# Altium PCB HDLab-v1.PcbDoc (part 1 of 2)
Units mm, origin at the board's own origin, x right, y up, seen from the top; angles counter-clockwise.
Board outline 142.6 x 82.6 mm, 2 copper layers (Top Layer, Bottom Layer); 120 components, 185 nets, 716 pads, 398 vias.
Unrouted connection lines stored in the file: 6.
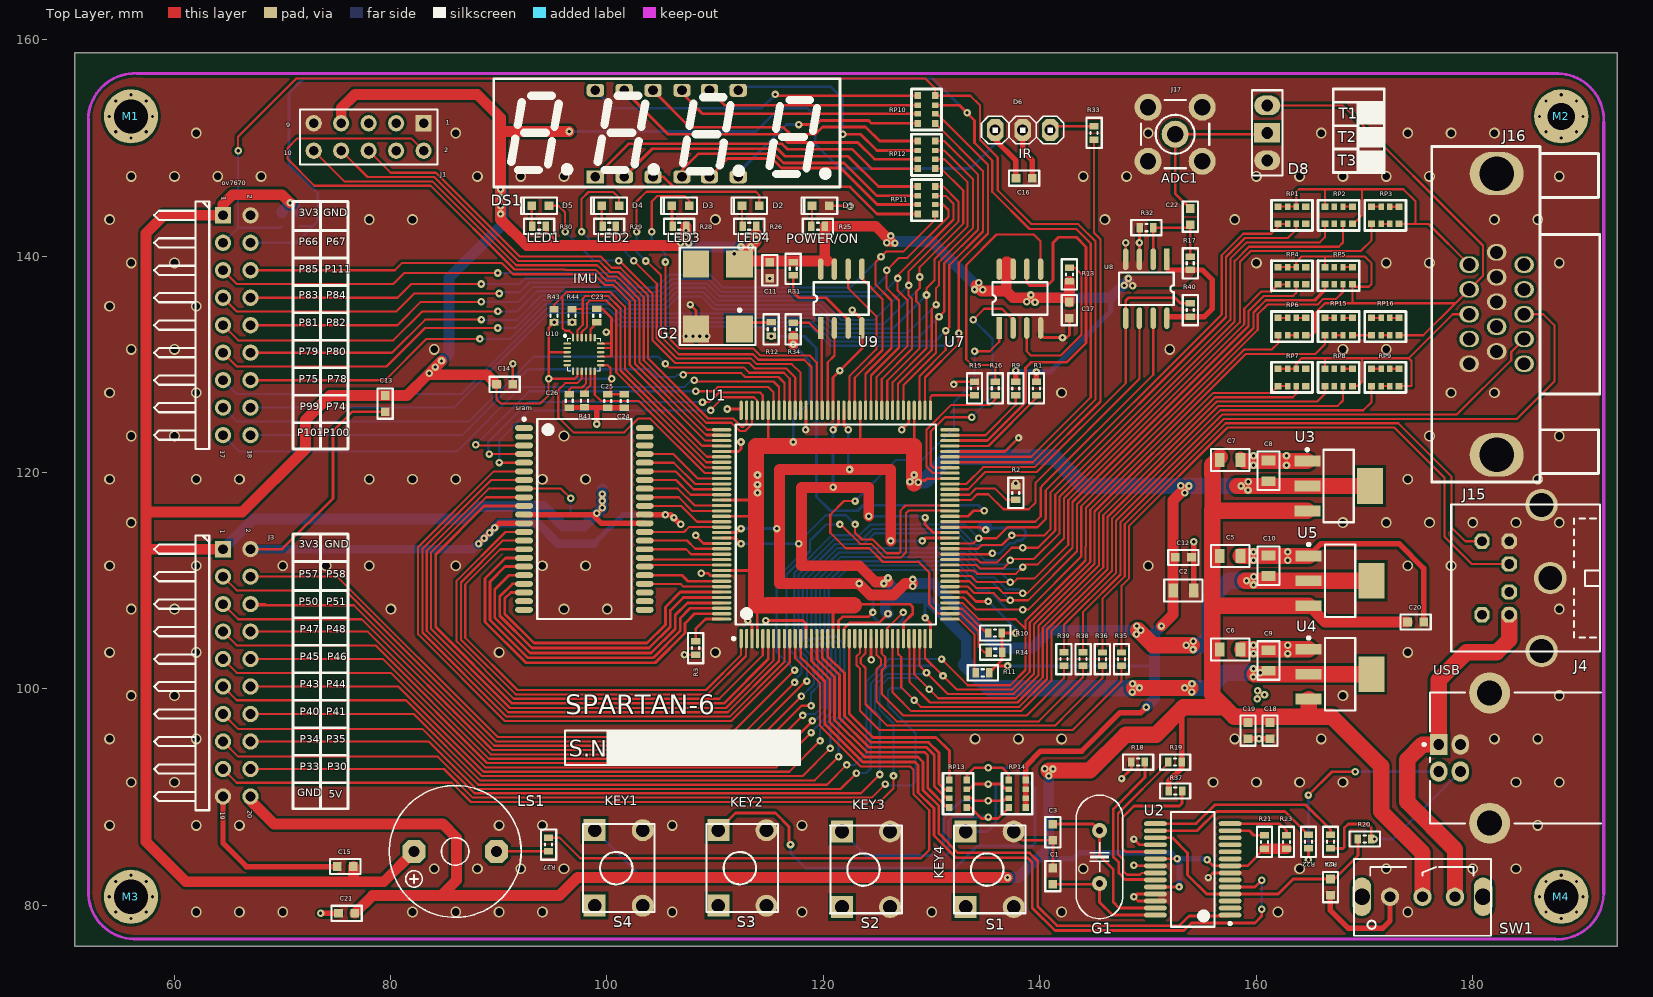
[diagram p0: Top Layer view]
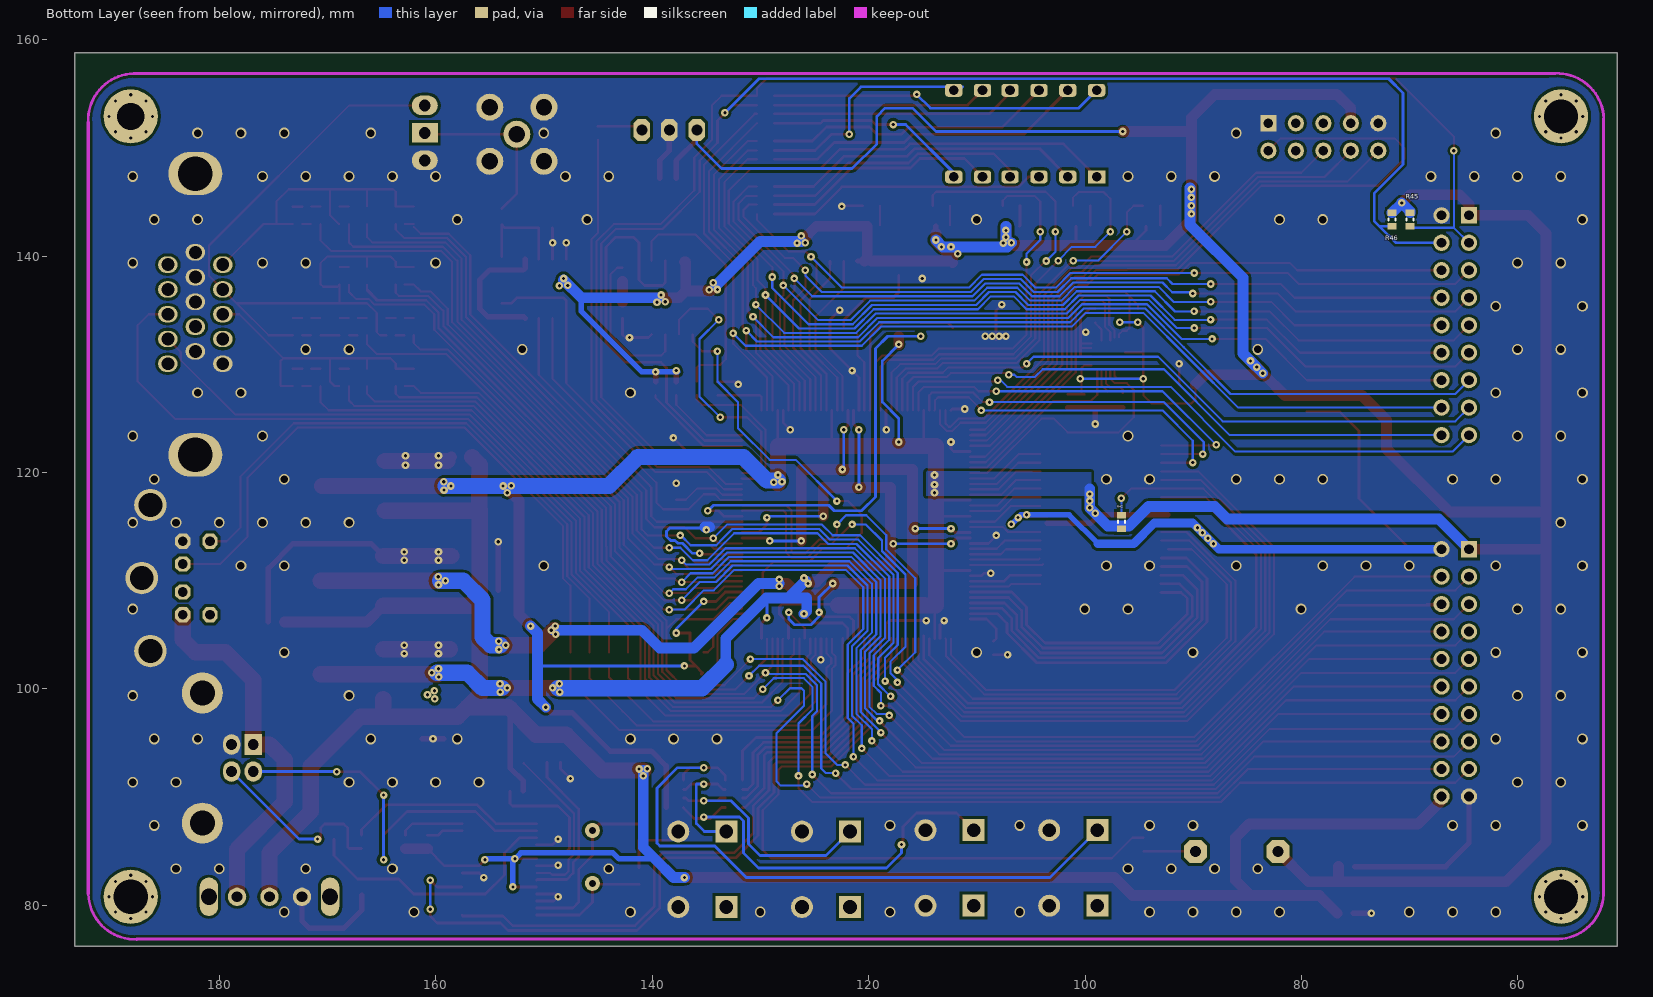
[diagram p1: Bottom Layer view, seen from below]

## Layer stack, top to bottom
Top Solder: solder mask 0.0102, Solder Resist, Dk 3.5
Top Layer: signal copper 0.0356
Dielectric 1: dielectric 0.32, FR-4, Dk 4.8
Bottom Layer: signal copper 0.0356
Bottom Solder: solder mask 0.0102, Solder Resist, Dk 3.5

## Board outline
50.8,76.2 193.4,76.2 193.4,158.8 50.8,158.8

## Design rules (kind name [scope] priority, off if disabled: settings)
Clearance Clearance_1 [INPOLY] p1: gap=0.254
Clearance [All] p2: gap=0.2
PlaneConnect [All] p1: planeconnectstyle=Direct reliefexpansion=0.508 reliefentries=4 reliefconductorwidth=0.254 reliefairgap=0.254
PolygonConnect [All] p1: connectstyle=Direct reliefconductorwidth=0.254 reliefentries=4 polygonreliefangle="90 Angle" airgapwidth=0.254
RoutingVias [All] p1: holewidth=0.6 width=1 viastyle="Through Hole" minholewidth=0.711 minwidth=1.27 maxholewidth=0.711 maxwidth=1.27
SolderMaskExpansion [All] p1: expansion=0.102
Width [All] p1: maxlimit=10 minlimit=0.2 preferedwidth=0.2
28 further rules are at their usual default settings.

## Components (designator, comment, footprint, x,y, rotation, side; value= is the part's Value field where it differs from the comment)
C1 "Cap Semi" C0603 141.224,82.677 r270 top
C2 "10u" C0805 153.289,109.093 r0 top
C3 "Cap Semi" C0603 141.224,86.741 r90 top
C4 "Cap Semi" C0603 166.878,81.661 r90 top
C5 "10u" C0805 157.607,112.268 r0 top
C6 "10u" C0805 157.607,103.632 r0 top
C7 "10u" C0805 157.607,121.158 r0 top
C8 "10u" C0805 161.163,120.142 r90 top
C9 "10u" C0805 161.163,102.616 r90 top
C10 "10u" C0805 161.163,111.379 r90 top
C11 "Cap Semi" C0603 115.062,138.684 r270 top
C12 "Cap Semi" C0603 153.289,112.141 r0 top
C13 "Cap Semi" C0603 79.502,126.365 r270 top
C14 "Cap Semi" C0603 90.551,128.143 r0 top
C15 "Cap Semi" C0603 75.819,83.566 r180 top
C16 "Cap Semi" C0603 138.557,147.193 r0 top
C17 "Cap Semi" C0603 142.748,135.001 r270 top
C18 "Cap Semi" C0603 161.29,96.139 r270 top
C19 "Cap Semi" C0603 159.258,96.139 r270 top
C20 "Cap Semi" C0603 174.752,106.172 r0 top
C21 "Cap Semi" C0603 75.946,79.248 r180 top
C22 "Cap Semi" C0603 153.924,143.637 r270 top
C23 "2.2n" SMD_CAP_0603 99.06,134.493 r270 top
C24 "100nF" SMD_CAP_0603 101.6,126.597 r270 top
C25 "10n" SMD_CAP_0603 100.076,126.597 r90 top
C26 "100n" SMD_CAP_0603 96.52,126.619 r90 top
D1 "LED2" LED_0603 119.761,144.653 r0 top
D2 "LED2" LED_0603 113.284,144.653 r0 top
D3 "LED2" LED_0603 106.807,144.653 r0 top
D4 "LED2" LED_0603 100.33,144.653 r0 top
D5 "LED2" LED_0603 93.853,144.653 r0 top
D6 "Header 3" My_1X03 138.43,151.638 r180 top
D8 "Header 3" "jumper selector" 161.036,148.844 r90 top
DS1 "7Segment-4Digit-CA" 7seg 105.537,151.384 r0 top
G1 "12 MHz" "XTAL Small" 145.542,84.455 r270 top
G2 "40MHz" CSL 110.236,136.271 r0 top
J1 "Header 5X2" HDR2X5 83.058,152.273 r180 top
J3 "Header 10X2H" HDR2X10H 64.516,112.903 r270 top
J4 "USB Connector" USB2.5-2H4F 191.897,93.599 r0 top
J15 "PS2-6PIN_1" PS21 184.531,110.236 r90 top
J16 "Component_1" DE15 182.245,134.62 r90 top
J17 "SMB" SMB_V-RJ45 152.527,151.257 r0 top
LS1 "Buzzer small" My_Buzzer 85.979,84.963 r180 top
M1 "Screw" "Board Screw_No Silk"#1 56.007,152.908 r0 top
M2 "Screw" "Board Screw_No Silk"#2 188.214,152.908 r0 top
M3 "Screw" "Board Screw_No Silk"#1 56.007,80.772 r0 top
M4 "Screw" "Board Screw_No Silk"#1 188.214,80.772 r0 top
ov7670 "Header 9X2H" HDR2X9H 64.516,143.764 r270 top
R1 "Res1" R0603 139.7,127.762 r90 top
R2 "Res1" R0603 137.795,118.11 r90 top
R3 "Res1" R0603 108.204,103.759 r270 top
R9 "Res1" R0603 137.795,127.762 r90 top
R10 "Res1" R0603 135.89,105.156 r0 top
R11 "Res1" R0603 134.747,101.473 r0 top
R12 "Res1" R0603 115.189,133.223 r270 top
R13 "Res1" R0603 142.748,138.303 r90 top
R14 "Res1" R0603 135.89,103.378 r180 top
R15 "Res1" R0603 133.985,127.762 r90 top
R16 "Res1" R0603 135.89,127.762 r270 top
R17 "Res1" R0603 153.924,139.319 r270 top
R18 "Res1" R0603 149.098,93.218 r180 top
R19 "Res1" R0603 152.527,93.218 r0 top
R20 "Res1" R0603 170.053,86.106 r0 top
R21 "Res1" R0603 160.782,85.852 r90 top
R22 "Res1" R0603 164.846,85.852 r270 top
R23 "Res1" R0603 162.814,85.852 r90 top
R24 "Res1" R0603 166.878,85.852 r270 top
R25 "Res1" R0603 119.507,142.748 r180 top
R26 "Res1" R0603 113.157,142.748 r180 top
R27 "Res1" R0603 94.615,85.598 r270 top
R28 "Res1" R0603 106.68,142.748 r180 top
R29 "Res1" R0603 100.203,142.748 r180 top
R30 "Res1" R0603 93.726,142.748 r180 top
R31 "Res1" R0603 117.221,138.811 r270 top
R32 "Res1" R0603 149.86,142.621 r180 top
R33 "Res1" R0603 145.034,151.384 r90 top
R34 "Res1" R0603 117.221,133.223 r90 top
R35 "Res1" R0603 147.574,102.743 r90 top
R36 "Res1" R0603 145.796,102.743 r90 top
R37 "Res1" R0603 152.527,90.551 r180 top
R38 "Res1" R0603 144.018,102.743 r270 top
R39 "Res1" R0603 142.24,102.743 r270 top
R40 "Res1" R0603 153.924,135.001 r270 top
R41 "10K" "RES 0603 (1608X06L)" 97.917,127.254 r270 top
R42 "10K" "RES 0603 (1608X06L)" 96.647,114.808 r90 bottom
R43 "10K" "RES 0603 (1608X06L)" 95.123,133.858 r90 top
R44 "10K" "RES 0603 (1608X06L)" 96.774,133.858 r90 top
R45 "10K" "RES 0603 (1608X06L)" 69.977,142.748 r90 bottom
R46 "10K" "RES 0603 (1608X06L)" 71.628,142.748 r90 bottom
RP1 "1K" R4#1 163.322,143.764 r90 top
RP2 "2K" R4#1 167.64,143.764 r90 top
RP3 "2K" R4#1 171.958,143.764 r90 top
RP4 "1K" R4#1 163.322,138.176 r90 top
RP5 "2K" R4#1 167.64,138.176 r90 top
RP6 "2K" R4#1 163.322,133.477 r90 top
RP7 "1K" R4#1 163.322,128.778 r90 top
RP8 "2K" R4#1 167.64,128.778 r90 top
RP9 "2K" R4#1 171.958,128.778 r90 top
RP10 "330" R4#1 129.54,153.543 r180 top
RP11 "330" R4#1 129.54,145.161 r180 top
RP12 "330" R4#2 129.54,149.352 r180 top
RP13 "1K" R4#1 132.461,90.297 r0 top
RP14 "1K" R4#1 137.922,90.297 r0 top
RP15 "2K" R4#1 167.64,133.477 r90 top
RP16 "2K" R4#1 171.958,133.477 r90 top
S1 "Switch PB" "Switch - Push to On" 135.382,83.312 r90 top
S2 "Switch PB" "Switch - Push to On" 123.952,83.312 r90 top
S3 "Switch PB" "Switch - Push to On" 112.522,83.439 r90 top
S4 "Switch PB" "Switch - Push to On" 101.092,83.439 r90 top
sram "IS61WV5128BLL-10TI" ISSI-TSOP-2-44_N 97.917,115.697 r0 top
SW1 "Switch SPDT_Subminiator" SW 175.387,80.772 r90 top
U1 "XC6SLX9-2TQG144C" TQG144_N 121.158,115.189 r90 top
U2 "PL2303" SSOP-SS28_N 154.178,83.312 r270 top
U3 "AMS1117-3.3" MP04A_N 167.64,118.745 r0 top
U4 "AMS1117-2.5" MP04A_N 167.767,101.346 r0 top
U5 "AMS1117-1.2" MP04A_N 167.767,109.982 r0 top
U7 "W25Q32FVS1G" sop8 136.271,133.35 r90 top
U8 "TLC549C" SOP8 151.765,139.7 r270 top
U9 "W25Q128FVSG" sop8 119.761,133.35 r90 top
U10 "MPU-9150" klklkl 97.917,130.937 r0 top

## Footprints (in the part's own frame and the unit in brackets; to place one, negate y for a bottom-side part, rotate by r counter-clockwise, add the part's x,y. Pads: shape width x height; smd on the part's side, far side on the other; paste and mask are expansions set on the pad)
7seg [mm]
  rect 1.6x1.2 hole 0.9: 1(-6.604,-4.064)
  rrect50% 1.6x1.2 hole 0.9: 2(-3.937,-4.064) 3(-1.27,-4.064) 4(1.397,-4.064) 5(3.937,-4.064) 6(6.604,-4.064) 7(6.604,3.937) 8(3.937,3.937) 9(1.397,3.937) 10(-1.27,3.937) 11(-3.937,3.937) 12(-6.604,3.937)
  silkscreen extent -16,-5 16,5
"Board Screw_No Silk"#1 [mm]
  round 0.6 hole 0.3: S(-2,0) S(-1.414,-1.414) S(-1.414,1.414) S(0,-2) S(0,2) S(1.414,-1.414) S(1.414,1.414) S(2,0)
  round 5 hole 3.15 mask+0.1: S(0,0)
"Board Screw_No Silk"#2 [mm]
  round 0.6 hole 0.3: S(-2,0) S(-1.414,-1.414) S(-1.414,1.414) S(0,-2) S(0,2) S(1.414,-1.414) S(1.414,1.414) S(2,0)
  round 5 hole 2.5 mask+0.1: S(0,0)
C0603 [mm]
  rect 0.8x0.8 smd: 1(-0.75,0) 2(0.75,0)
  silkscreen extent -1.4,-0.7 1.4,0.7, body extent -0.8,-0.42 0.8,0.44, height 0.95
C0805 [mm]
  rect 0.9x1.3 smd: 1(-0.95,0) 2(0.95,0)
  silkscreen extent -1.78,-1.02 1.78,1.02, body extent -1,-0.6 1,0.6, height 1.5
CSL [mm]
  rect 2.5x2.5 smd: 1(2,-3) 2(2,3)
  rect 2.4x2.5 smd: 3(-2,3) 4(-2,-3)
  silkscreen extent -3.5,-4.5 3.5,4.52
DE15 [mm]
  oval 1.524x1.8 hole 1.19: 1(4.58,2.54) 2(2.29,2.54) 3(0,2.54) 4(-2.29,2.54) 6(5.72,0) 7(3.43,0) 8(1.14,0) 9(-1.15,0) 10(-3.44,0) 11(4.58,-2.54) 12(2.29,-2.54) 13(0,-2.54) 14(-2.29,-2.54) 15(-4.58,-2.54)
  oval 1.5x1.8 hole 1.19: 5(-4.58,2.54)
  oval 4x5 hole 3.18: 16(13,0) 17(-13,0)
  silkscreen extent -15.5,-9.53 15.5,6
HDR2X5 [mm] "Connector; Header; 5x2 Position"
  rect 1.5x1.5 hole 0.9: 1(0,0)
  round 1.5 hole 0.9: 2(0,2.54) 3(2.54,0) 4(2.54,2.54) 5(5.08,0) 6(5.08,2.54) 7(7.62,0) 8(7.62,2.54) 9(10.16,0) 10(10.16,2.54)
  silkscreen extent -1.27,-1.27 11.43,3.81
HDR2X9H [mm] "Connector; Header; 9x2 Position; Right Angle"
  rect 1.5x1.5 hole 0.9: 1(0,0)
  round 1.5 hole 0.9: 2(0,2.54) 3(2.54,0) 4(2.54,2.54) 5(5.08,0) 6(5.08,2.54) 7(7.62,0) 8(7.62,2.54) 9(10.16,0) 10(10.16,2.54) 11(12.7,0) 12(12.7,2.54) 13(15.24,0) 14(15.24,2.54) 15(17.78,0) 16(17.78,2.54) 17(20.32,0) 18(20.32,2.54)
  silkscreen extent -1.27,-6.35 21.59,-1.27
HDR2X10H [mm] "Connector; Header; 10x2 Position; Right Angle"
  rect 1.5x1.5 hole 0.9: 1(0,0)
  round 1.5 hole 0.9: 2(0,2.54) 3(2.54,0) 4(2.54,2.54) 5(5.08,0) 6(5.08,2.54) 7(7.62,0) 8(7.62,2.54) 9(10.16,0) 10(10.16,2.54) 11(12.7,0) 12(12.7,2.54) 13(15.24,0) 14(15.24,2.54) 15(17.78,0) 16(17.78,2.54) 17(20.32,0) 18(20.32,2.54) 19(22.86,0) 20(22.86,2.54)
  silkscreen extent -1.27,-6.35 24.13,-1.27
ISSI-TSOP-2-44_N [mm] "SOP, 44-Leads, Body 18.5x10.3mm, Pitch 0.8mm, IPC Medium Density"
  oval 1.65x0.55 smd: 1(-5.575,8.4) 2(-5.575,7.6) 3(-5.575,6.8) 4(-5.575,6) 5(-5.575,5.2) 6(-5.575,4.4) 7(-5.575,3.6) 8(-5.575,2.8) 9(-5.575,2) 10(-5.575,1.2) 11(-5.575,0.4) 12(-5.575,-0.4) 13(-5.575,-1.2) 14(-5.575,-2) 15(-5.575,-2.8) 16(-5.575,-3.6) 17(-5.575,-4.4) 18(-5.575,-5.2) 19(-5.575,-6) 20(-5.575,-6.8) 21(-5.575,-7.6) 22(-5.575,-8.4) 23(5.575,-8.4) 24(5.575,-7.6) 25(5.575,-6.8) 26(5.575,-6) 27(5.575,-5.2) 28(5.575,-4.4) 29(5.575,-3.6) 30(5.575,-2.8) 31(5.575,-2) 32(5.575,-1.2) 33(5.575,-0.4) 34(5.575,0.4) 35(5.575,1.2) 36(5.575,2) 37(5.575,2.8) 38(5.575,3.6) 39(5.575,4.4) 40(5.575,5.2) 41(5.575,6) 42(5.575,6.8) 43(5.575,7.6) 44(5.575,8.4)
  silkscreen extent -5.7,-9.25 4.35,9.35, body extent -5.15,-9.25 5.15,9.25, height 1.2
"jumper selector" [mm]
  oval 1.8x2.4 hole 1.1: 1(0,0) 3(5.08,0)
  rect 1.8x2.4 hole 1.1: 2(2.54,0)
  silkscreen extent -1.4,-1.4 6.48,1.4, body extent -1.24,-1.27 6.38,1.27, height 10.16
klklkl [mm]
  oval 0.7x0.2 smd: 1(-1.591,0.974) 2(-1.591,0.574) 3(-1.591,0.174) 4(-1.591,-0.226) 5(-1.591,-0.626) 6(-1.591,-1.026) 13(1.509,-1.026) 14(1.509,-0.626) 15(1.509,-0.226) 16(1.509,0.174) 17(1.509,0.574) 18(1.509,0.974)
  oval 0.2x0.7 smd: 7(-1.041,-1.576) 8(-0.641,-1.576) 9(-0.241,-1.576) 10(0.159,-1.576) 11(0.559,-1.576) 12(0.959,-1.576) 19(0.959,1.524) 20(0.559,1.524) 21(0.159,1.524) 22(-0.241,1.524) 23(-0.641,1.524) 24(-1.041,1.524)
  silkscreen extent -1.89,-1.53 1.46,1.8, body extent -1.55,-1.54 1.47,1.48, height 1.04
LED_0603 [mm]
  rect 0.8x0.8 smd: 1(-0.8,0) 2(0.8,0)
  silkscreen extent -1.78,-0.76 1.52,0.76, body extent -0.85,-0.4 0.85,0.4, height 0.66
MP04A_N [mm] "SOT223, 4-Leads, Body 6.5x3.5mm, Pitch 2.3mm, Lead Span 7mm, IPC Medium Density"
  rect 2.4x1 smd: 1(-2.9,2.3) 2(-2.9,0) 3(-2.9,-2.3)
  rect 2.4x3.3 smd: 4(2.9,0)
  silkscreen extent -3.02,-3.35 1.4,3.47, body extent -3.49,-3.24 3.49,3.24, height 1.64
My_1X03 [mil]
  oct 60x80 hole 40: 1(-100,0) 2(0,0) 3(100,0)
  silkscreen extent -150,-50 150,50
My_Buzzer [mil]
  oct 85x85 hole 40: +(150,0) -(-150,0)
  silkscreen extent -240,-240 240,240
PS21 [mm]
  oct 1.408x1.408 hole 0.9: 1(1.3,1.134) 2(-1.3,1.134) 3(3.4,1.134) 4(-3.4,1.134) 5(3.4,3.634) 6(-3.4,3.634)
  round 3 hole 2.2 unplated: S(-6.75,-1.866) S(0,-2.666) S(6.75,-1.866)
  silkscreen extent -6.8,-7.27 6.8,6.48
R4#1 [mm]
  rect 0.6x0.65 smd mask+0.025: 1(-0.8,1.275) 4(-0.8,-1.275) 5(0.8,-1.275) 8(0.8,1.275)
  rect 0.6x0.5 smd mask+0.025: 2(-0.8,0.4) 3(-0.8,-0.4) 6(0.8,-0.4) 7(0.8,0.4)
  silkscreen extent -1.4,-1.91 1.4,1.91, body extent -1.14,-1.65 1.14,1.65, height 1
R4#2 [mm]
  rect 0.6x0.65 smd mask+0.025: 1(-0.8,-1.275) 4(-0.8,1.275) 5(0.8,1.275) 8(0.8,-1.275)
  rect 0.6x0.5 smd mask+0.025: 2(-0.8,-0.4) 3(-0.8,0.4) 6(0.8,0.4) 7(0.8,-0.4)
  silkscreen extent -1.4,-1.91 1.4,1.91, body extent -1.14,-1.65 1.14,1.65, height 1
R0603 [mm]
  rect 0.6x0.85 smd: 1(-0.635,0) 2(0.609,0)
  silkscreen extent -1.4,-0.7 1.4,0.7, body extent -0.77,-0.38 0.75,0.38, height 0.45
"RES 0603 (1608X06L)" [mm] "Chip Resistor, 2-Leads, Body 1.6x0.8mm, IPC High Density _ (0.063W)"
  rect 0.6x0.85 smd: 1(0,0) 2(1.244,0)
  silkscreen extent 0.52,-0.33 0.72,0.33, body extent -0.14,-0.38 1.38,0.38, height 0.45
SMB_V-RJ45 [mm] "Connector; SMB Straight"
  round 2.5 hole 1.5: 1(0,0) 2(-2.5,-2.5) 2(-2.5,2.5) 2(2.5,-2.5) 2(2.5,2.5)
  silkscreen extent -3.15,-3.15 3.15,3.15
SMD_CAP_0603 [mm]
  rect 0.6x0.85 smd: 1(-0.622,0) 2(0.622,0)
  silkscreen extent -0.1,-0.33 0.1,0.33, body extent -0.76,-0.38 0.76,0.38, height 0.6
sop8 [mm]
  rect 2x0.51 smd: 1(0,0)
  oval 2x0.51 smd: 2(0,-1.27) 3(0,-2.54) 4(0,-3.81) 5(5.44,-3.81) 6(5.44,-2.54) 7(5.44,-1.27) 8(5.44,0)
  silkscreen extent 1.21,-4.44 4.23,0.64
SOP8 [mm]
  rect 2x0.51 smd: 1(0,0)
  oval 2x0.51 smd: 2(0,-1.27) 3(0,-2.54) 4(0,-3.81) 5(5.44,-3.81) 6(5.44,-2.54) 7(5.44,-1.27) 8(5.44,0)
  silkscreen extent 1.21,-4.44 4.23,0.64
SSOP-SS28_N [mm]
  oval 0.45x2.1 smd: 1(4.232,3.425) 2(3.582,3.425) 3(2.932,3.425) 4(2.282,3.425) 5(1.632,3.425) 6(0.982,3.425) 7(0.332,3.425) 8(-0.318,3.425) 9(-0.968,3.425) 10(-1.618,3.425) 11(-2.268,3.425) 12(-2.918,3.425) 13(-3.568,3.425) 14(-4.218,3.425) 15(-4.218,-3.475) 16(-3.568,-3.475) 17(-2.918,-3.475) 18(-2.268,-3.475) 19(-1.618,-3.475) 20(-0.968,-3.475) 21(-0.318,-3.475) 22(0.332,-3.475) 23(0.982,-3.475) 24(1.632,-3.475) 25(2.282,-3.475) 26(2.932,-3.475) 27(3.582,-3.475) 28(4.232,-3.475)
  silkscreen extent -5.29,-2.03 5.31,3.55, body extent -5.29,-2.73 5.31,2.67, height 2
SW [mm]
  round 1.7 hole 1: 1(0,3) 2(0,0) 3(0,-3)
  oval 3.556x1.7 hole 1.5: 3(0,5.6) 3(0,-5.6)
  silkscreen extent -3.6,-6.35 3.51,6.35
"Switch - Push to On" [mil]
  rect 80x80 hole 50: 1(-137.5,87.5) 1(137.5,87.5)
  round 80 hole 50: 2(-137.5,-87.5) 2(137.5,-87.5)
  silkscreen extent -160,-130 160,130, body extent -155,-121 157,123, height 205
TQG144_N [mm] "Thin QFP, 144-Leads, Body 20x20mm, Pitch 0.5mm, IPC Medium Density"
  oval 1.8x0.3 smd: 1(-10.55,8.75) 2(-10.55,8.25) 3(-10.55,7.75) 4(-10.55,7.25) 5(-10.55,6.75) 6(-10.55,6.25) 7(-10.55,5.75) 8(-10.55,5.25) 9(-10.55,4.75) 10(-10.55,4.25) 11(-10.55,3.75) 12(-10.55,3.25) 13(-10.55,2.75) 14(-10.55,2.25) 15(-10.55,1.75) 16(-10.55,1.25) 17(-10.55,0.75) 18(-10.55,0.25) 19(-10.55,-0.25) 20(-10.55,-0.75) 21(-10.55,-1.25) 22(-10.55,-1.75) 23(-10.55,-2.25) 24(-10.55,-2.75) 25(-10.55,-3.25) 26(-10.55,-3.75) 27(-10.55,-4.25) 28(-10.55,-4.75) 29(-10.55,-5.25) 30(-10.55,-5.75) 31(-10.55,-6.25) 32(-10.55,-6.75) 33(-10.55,-7.25) 34(-10.55,-7.75) 35(-10.55,-8.25) 36(-10.55,-8.75) 73(10.55,-8.75) 74(10.55,-8.25) 75(10.55,-7.75) 76(10.55,-7.25) 77(10.55,-6.75) 78(10.55,-6.25) 79(10.55,-5.75) 80(10.55,-5.25) 81(10.55,-4.75) 82(10.55,-4.25) 83(10.55,-3.75) 84(10.55,-3.25) 85(10.55,-2.75) 86(10.55,-2.25) 87(10.55,-1.75) 88(10.55,-1.25) 89(10.55,-0.75) 90(10.55,-0.25) 91(10.55,0.25) 92(10.55,0.75) 93(10.55,1.25) 94(10.55,1.75) 95(10.55,2.25) 96(10.55,2.75) 97(10.55,3.25) 98(10.55,3.75) 99(10.55,4.25) 100(10.55,4.75) 101(10.55,5.25) 102(10.55,5.75) 103(10.55,6.25) 104(10.55,6.75) 105(10.55,7.25) 106(10.55,7.75) 107(10.55,8.25) 108(10.55,8.75)
  oval 0.3x1.8 smd: 37(-8.75,-10.55) 38(-8.25,-10.55) 39(-7.75,-10.55) 40(-7.25,-10.55) 41(-6.75,-10.55) 42(-6.25,-10.55) 43(-5.75,-10.55) 44(-5.25,-10.55) 45(-4.75,-10.55) 46(-4.25,-10.55) 47(-3.75,-10.55) 48(-3.25,-10.55) 49(-2.75,-10.55) 50(-2.25,-10.55) 51(-1.75,-10.55) 52(-1.25,-10.55) 53(-0.75,-10.55) 54(-0.25,-10.55) 55(0.25,-10.55) 56(0.75,-10.55) 57(1.25,-10.55) 58(1.75,-10.55) 59(2.25,-10.55) 60(2.75,-10.55) 61(3.25,-10.55) 62(3.75,-10.55) 63(4.25,-10.55) 64(4.75,-10.55) 65(5.25,-10.55) 66(5.75,-10.55) 67(6.25,-10.55) 68(6.75,-10.55) 69(7.25,-10.55) 70(7.75,-10.55) 71(8.25,-10.55) 72(8.75,-10.55) 109(8.75,10.55) 110(8.25,10.55) 111(7.75,10.55) 112(7.25,10.55) 113(6.75,10.55) 114(6.25,10.55) 115(5.75,10.55) 116(5.25,10.55) 117(4.75,10.55) 118(4.25,10.55) 119(3.75,10.55) 120(3.25,10.55) 121(2.75,10.55) 122(2.25,10.55) 123(1.75,10.55) 124(1.25,10.55) 125(0.75,10.55) 126(0.25,10.55) 127(-0.25,10.55) 128(-0.75,10.55) 129(-1.25,10.55) 130(-1.75,10.55) 131(-2.25,10.55) 132(-2.75,10.55) 133(-3.25,10.55) 134(-3.75,10.55) 135(-4.25,10.55) 136(-4.75,10.55) 137(-5.25,10.55) 138(-5.75,10.55) 139(-6.25,10.55) 140(-6.75,10.55) 141(-7.25,10.55) 142(-7.75,10.55) 143(-8.25,10.55) 144(-8.75,10.55)
  silkscreen extent -10.67,-9.25 9.25,9.57, body extent -10,-10 10,10, height 1.6
USB2.5-2H4F [mm] "Connector; USB1.1, Type B, Thru-Hole; 4 Position; Right Angle"
  rect 1.6x1.9 hole 1: 1(-15.01,1.25)
  oval 1.6x1.9 hole 1: 2(-15.01,-1.25) 3(-13.01,-1.25) 4(-13.01,1.25)
  round 3.8 hole 2.3: 5(-10.3,6.02) 6(-10.3,-6.02)
  silkscreen extent -16.48,-6.05 -0.02,6.05, body extent -16.51,-7.45 -0.01,7.45, height 10.95
"XTAL Small" [mil]
  round 55 hole 25: 1(-96.06,0) 2(96.06,0)
  silkscreen extent -225,-85 225,85, body extent -226,-89 226,89, height 140

## Part data
C1 C3 C4 C11 C12 C13 C14 C15 C16 C17 C18 C19 C20 C21 C22: "Capacitor (Semiconductor SIM Model)"
C2 C5 C6 C7 C8 C9 C10: library part GRM21BR71H105KA12L, "CAP CER 1UF 50V X7R 0805"
C23 C24 C25 C26: library part Cap-Bipolar, "Bipolar Capacitor"
D1 D2 D3 D4 D5: "Typical RED, GREEN, YELLOW, AMBER GaAs LED"
D6 D8: "Header, 3-Pin"
DS1: library part 7Seg-4Digit-CA, "7-Segment Display: CA"
G1: library part XTAL, "XTAL Crystal"
G2: library part ASFLMB-12.288MHZ-LR-T, "OSC 32SMX  40MHZ SMD"
J1: "Header, 5-Pin, Dual row"
J3: "Header, 10-Pin, Dual row, Right Angle"
J4: library part USB, "USB Connector-B Type"
J15: library part PS2-6PIN, "6 Pin Through Hole PS2 Socket (Kycon P/N)"
J17: "SMB Straight Connector"
LS1: library part Buzzer, "5-12v small buzzer (12mm)"
M1 M2 M3 M4: library part "Board Screw", "Board Screw With Spacer"
ov7670: "Header, 9-Pin, Dual row, Right Angle"
R1 R2 R3 R9 R10 R11 R12 R13 R14 R15 R16 R17 R18 R19 R20 R21 R22 R23 R24 R25 R26 R27 R28 R29 R30 R31 R32 R33 R34 R35 R36 R37 R38 R39 R40: "Resistor"
R41 R42 R43 R44 R45 R46: library part Resistor, "Resistor"
RP1 RP2 RP3 RP4 RP5 RP6 RP7 RP8 RP9 RP10 RP11 RP12 RP13 RP14 RP15 RP16 U8: library part Component_1
S1 S2 S3 S4: "Push Button Switch"
sram: "4 M High Speed Asynchronous CMOS SRAM, 512 K x 8, -40 to 85 degC, 44-Pin SOP (TSOP-2-44)"
SW1: "Subminiator SPDT Switch"
U1: "Spartan-6 LX 1.2V FPGA, 102 User I/Os, 144-Pin TQFP (0.5mm Pitch), Speed Grade 2, Commercial Grade, Pb-Free"
U3 U4 U5: library part LM1117IMP-x.x, "x.x Volt, 800mA Low-Dropout Linear Regulator, 4-pin SOT-223"
U9: library part W25Q32FVS1G

## Via types
v1: diameter 0.7, hole 0.3, Top Layer to Bottom Layer, tented both sides, 254 vias
v2: diameter 1, hole 0.7, Top Layer to Bottom Layer, tented both sides, 144 vias
